# Allegro board S071AA-0413-20260427_Power.brd (continued)
## Routing (per net, layer and track width the routed paths; a pad name or vN(x,y) marks a point on that pad's centre or on a via; arc(x,y) is an arc through that point) (continued)
; D104.A2 164.3,35.56 ; D104.A2 165.37,36.63 ; D104.A2 165.37,34.49 ; CSDPS426.C5 119.65,361.75 ; CSDPS426.C5 119.65,359.61 ; CSDPS426.C5 120.72,360.68 ; CSDPS426.C5 118.58,360.68 ; D124.A10 112.03,36.63 ; D124.A10 113.1,35.56 ; D124.A10 112.03,34.49 ; D124.A10 110.96,35.56 ; D124.B13 119.65,39.17 ; D124.B13 118.58,38.1 ; D124.B13 120.72,38.1 ; D124.B13 119.65,37.03 ; 14.44,53.34 D119.A1 ; D119.A1 15.51,54.41 ; D119.A1 15.51,52.27 ; D119.A1 16.58,53.34 ; D121.A16 128.34,96.52 ; D121.A16 126.2,96.52 ; D121.A16 127.27,97.59 ; D121.A16 127.27,95.45 ; D113.B16 166.44,327.66 ; D113.B16 165.37,326.59 ; D113.B16 164.3,327.66 ; D113.B16 165.37,328.73 ; 89.17,37.03 D124.B1 ; D124.B1 88.1,38.1 ; D124.B1 90.24,38.1 ; D124.B1 89.17,39.17 ; 15.51,72.59 D118.A1 ; D118.A1 14.44,73.66 ; D118.A1 16.58,73.66 ; D118.A1 15.51,74.73 ; 240.5,73.66 D106.A3 ; D106.A3 241.57,74.73 ; D106.A3 242.64,73.66 ; D106.A3 241.57,72.59 ; 35.83,37.03 D120.B9 ; D120.B9 36.9,38.1 ; D120.B9 35.83,39.17 ; D120.B9 34.76,38.1 ; D108.B10 259.35,41.71 ; D108.B10 259.35,39.57 ; D108.B10 260.42,40.64 ; D108.B10 258.28,40.64 ; D115.A13 172.99,376.99 ; D115.A13 172.99,374.85 ; D115.A13 174.06,375.92 ; D115.A13 171.92,375.92 ; CSDPS229.B4 48.53,333.81 ; CSDPS229.B4 47.46,332.74 ; CSDPS229.B4 49.6,332.74 ; CSDPS229.B4 48.53,331.67 ; D428.B1 129.81,402.39 ; D428.B1 128.74,401.32 ; D428.B1 130.88,401.32 ; D428.B1 129.81,400.25 ; D108.B15 273.12,38.1 ; D108.B15 270.98,38.1 ; D108.B15 272.05,37.03 ; D108.B15 272.05,39.17 ; D108.B1 236.49,39.17 ; D108.B1 235.42,38.1 ; D108.B1 236.49,37.03 ; D108.B1 237.56,38.1 ; 274.59,100.53 D105.B16 ; D105.B16 275.66,101.6 ; D105.B16 274.59,102.67 ; D105.B16 273.52,101.6 ; D106.A5 247.72,73.66 ; D106.A5 245.58,73.66 ; D106.A5 246.65,72.59 ; D106.A5 246.65,74.73 ; D101.B9 183.15,100.13 ; D101.B9 183.15,97.99 ; D101.B9 182.08,99.06 ; D101.B9 184.22,99.06 ; 45.99,385.01 D431.A5 ; D431.A5 47.06,386.08 ; D431.A5 44.92,386.08 ; D431.A5 45.99,387.15 ; 182.08,391.16 D116.B9 ; D116.B9 183.15,392.23 ; D116.B9 184.22,391.16 ; D116.B9 183.15,390.09 ; D101.A14 195.85,97.59 ; D101.A14 194.78,96.52 ; D101.A14 195.85,95.45 ; D101.A14 196.92,96.52 ; D115.A6 190.77,374.45 ; D115.A6 190.77,372.31 ; D115.A6 189.7,373.38 ; D115.A6 191.84,373.38 ; 53.61,100.53 D117.B16 ; D117.B16 52.54,101.6 ; D117.B16 54.68,101.6 ; D117.B16 53.61,102.67 ; 55.08,410.21 DPS8.C01 ; DPS8.C01 56.15,411.28 ; DPS8.C01 57.22,410.21 ; DPS8.C01 56.15,409.14 ; 114.57,77.67 D122.B11 ; D122.B11 113.5,78.74 ; D122.B11 115.64,78.74 ; D122.B11 114.57,79.81 ; D101.A15 199.46,93.98 ; D101.A15 198.39,95.05 ; D101.A15 198.39,92.91 ; D101.A15 197.32,93.98 ; D108.B8 254.27,41.71 ; D108.B8 254.27,39.57 ; D108.B8 255.34,40.64 ; D108.B8 253.2,40.64 ; 46.68,354.48 UHC230.G3_2 ; UHC230.G3_2 46.68,356.1 ; UHC230.G3_2 47.49,355.29 ; UHC230.G3_2 45.87,355.29 ; D432.A6 43.45,404.93 ; D432.A6 44.52,403.86 ; D432.A6 43.45,402.79 ; D432.A6 42.38,403.86 ; 268.44,347.98 D110.B4 ; D110.B4 269.51,349.05 ; D110.B4 270.58,347.98 ; D110.B4 269.51,346.91 ; 179.54,353.06 D114.A10 ; D114.A10 180.61,354.13 ; D114.A10 180.61,351.99 ; D114.A10 181.68,353.06 ; CSDPS225.C15 95.32,330.2 ; CSDPS225.C15 94.25,331.27 ; CSDPS225.C15 93.18,330.2 ; CSDPS225.C15 94.25,329.13 ; D115.B15 168.98,370.84 ; D115.B15 167.91,371.91 ; D115.B15 166.84,370.84 ; D115.B15 167.91,369.77 ; 175.53,392.63 D116.A12 ; D116.A12 176.6,393.7 ; D116.A12 174.46,393.7 ; D116.A12 175.53,394.77 ; CSDPS225.C7 114.57,331.27 ; CSDPS225.C7 115.64,330.2 ; CSDPS225.C7 113.5,330.2 ; CSDPS225.C7 114.57,329.13 ; 47.46,60.96 D119.B14 ; D119.B14 48.53,62.03 ; D119.B14 48.53,59.89 ; D119.B14 49.6,60.96 ; D121.B12 117.11,102.67 ; D121.B12 116.04,101.6 ; D121.B12 117.11,100.53 ; D121.B12 118.18,101.6 ; D115.B12 176.6,368.3 ; D115.B12 175.53,367.23 ; D115.B12 175.53,369.37 ; D115.B12 174.46,368.3 ; D105.B13 266.97,100.13 ; D105.B13 268.04,99.06 ; D105.B13 265.9,99.06 ; D105.B13 266.97,97.99 ; D114.A8 185.69,354.13 ; D114.A8 185.69,351.99 ; D114.A8 184.62,353.06 ; D114.A8 186.76,353.06 ; 99.33,97.99 D121.B5 ; D121.B5 100.4,99.06 ; D121.B5 99.33,100.13 ; D121.B5 98.26,99.06 ; 255.74,396.24 D112.A9 ; D112.A9 256.81,397.31 ; D112.A9 256.81,395.17 ; D112.A9 257.88,396.24 ; 109.49,72.59 D122.A9 ; D122.A9 108.42,73.66 ; D122.A9 110.56,73.66 ; D122.A9 109.49,74.73 ; D115.A8 185.69,374.45 ; D115.A8 184.62,373.38 ; D115.A8 186.76,373.38 ; D115.A8 185.69,372.31 ; 270.98,93.98 D105.A15 ; D105.A15 272.05,92.91 ; D105.A15 272.05,95.05 ; D105.A15 273.12,93.98 ; 162.83,57.35 D103.B1 ; D103.B1 162.83,59.49 ; D103.B1 161.76,58.42 ; D103.B1 163.9,58.42 ; D116.B10 180.61,389.69 ; D116.B10 179.54,388.62 ; D116.B10 181.68,388.62 ; D116.B10 180.61,387.55 ; D117.A6 28.21,97.59 ; D117.A6 28.21,95.45 ; D117.A6 27.14,96.52 ; D117.A6 29.28,96.52 ; D428.B17 90.24,401.32 ; D428.B17 88.1,401.32 ; D428.B17 89.17,402.39 ; D428.B17 89.17,400.25 ; 243.04,368.3 D111.B14 ; D111.B14 245.18,368.3 ; D111.B14 244.11,367.23 ; D111.B14 244.11,369.37 ; D112.A16 239.03,394.77 ; D112.A16 239.03,392.63 ; D112.A16 237.96,393.7 ; D112.A16 240.1,393.7 ; 17.22,350.04 UHC230.G4_9 ; UHC230.G4_9 18.03,349.23 ; UHC230.G4_9 18.84,350.04 ; UHC230.G4_9 18.03,350.85 ; 88.1,13.97 DPS3.A01 ; DPS3.A01 89.17,15.04 ; DPS3.A01 89.17,12.9 ; DPS3.A01 90.24,13.97 ; 103.34,340.36 CSDPS425.C11 ; CSDPS425.C11 105.48,340.36 ; CSDPS425.C11 104.41,339.29 ; CSDPS425.C11 104.41,341.43 ; 37.3,332.74 CSDPS229.B8 ; CSDPS229.B8 39.44,332.74 ; CSDPS229.B8 38.37,333.81 ; CSDPS229.B8 38.37,331.67 ; D110.B6 264.43,349.05 ; D110.B6 263.36,347.98 ; D110.B6 265.5,347.98 ; D110.B6 264.43,346.91 ; 114.57,37.03 D124.B11 ; D124.B11 115.64,38.1 ; D124.B11 114.57,39.17 ; D124.B11 113.5,38.1 ; 169.38,60.96 D103.B4 ; D103.B4 170.45,62.03 ; D103.B4 170.45,59.89 ; D103.B4 171.52,60.96 ; D116.A6 191.84,393.7 ; D116.A6 189.7,393.7 ; D116.A6 190.77,394.77 ; D116.A6 190.77,392.63 ; UHC430.G2_2 46.68,366.26 ; UHC430.G2_2 46.68,364.64 ; UHC430.G2_2 47.49,365.45 ; UHC430.G2_2 45.87,365.45 ; 193.31,409.14 DPS2.C05 ; DPS2.C05 192.24,410.21 ; DPS2.C05 194.38,410.21 ; DPS2.C05 193.31,411.28 ; 101.87,39.57 D124.B6 ; D124.B6 101.87,41.71 ; D124.B6 102.94,40.64 ; D124.B6 100.8,40.64 ; CSDPS429.B4 48.53,343.97 ; CSDPS429.B4 48.53,341.83 ; CSDPS429.B4 47.46,342.9 ; CSDPS429.B4 49.6,342.9 ; 113.5,401.32 D428.B7 ; D428.B7 115.64,401.32 ; D428.B7 114.57,400.25 ; D428.B7 114.57,402.39 ; 113.5,350.52 CSDPS226.C7 ; CSDPS226.C7 114.57,351.59 ; CSDPS226.C7 115.64,350.52 ; CSDPS226.C7 114.57,349.45 ; D110.B11 252.8,350.52 ; D110.B11 250.66,350.52 ; D110.B11 251.73,351.59 ; D110.B11 251.73,349.45 ; 117.11,341.83 CSDPS425.B6 ; CSDPS425.B6 117.11,343.97 ; CSDPS425.B6 118.18,342.9 ; CSDPS425.B6 116.04,342.9 ; D231.A8 39.44,373.38 ; D231.A8 38.37,374.45 ; D231.A8 37.3,373.38 ; D231.A8 38.37,372.31 ; D124.A13 120.72,33.02 ; D124.A13 118.58,33.02 ; D124.A13 119.65,34.09 ; D124.A13 119.65,31.95 ; 175.53,39.57 D104.B6 ; D104.B6 175.53,41.71 ; D104.B6 174.46,40.64 ; D104.B6 176.6,40.64 ; D124.B9 109.49,39.17 ; D124.B9 110.56,38.1 ; D124.B9 109.49,37.03 ; D124.B9 108.42,38.1 ; 187.16,78.74 D102.B11 ; D102.B11 188.23,77.67 ; D102.B11 188.23,79.81 ; D102.B11 189.3,78.74 ; UHC430.G1_5 15.73,364.51 ; UHC430.G1_5 15.73,362.89 ; UHC430.G1_5 16.54,363.7 ; UHC430.G1_5 14.92,363.7 ; 108.42,391.16 D228.B9 ; D228.B9 109.49,390.09 ; D228.B9 110.56,391.16 ; D228.B9 109.49,392.23 ; 250.66,38.1 D108.B7 ; D108.B7 251.73,39.17 ; D108.B7 251.73,37.03 ; D108.B7 252.8,38.1 ; D118.B2 18.05,82.35 ; D118.B2 16.98,81.28 ; D118.B2 19.12,81.28 ; D118.B2 18.05,80.21 ; D228.A5 119.65,397.31 ; D228.A5 118.58,396.24 ; D228.A5 120.72,396.24 ; D228.A5 119.65,395.17 ; D119.B6 28.21,62.03 ; D119.B6 29.28,60.96 ; D119.B6 27.14,60.96 ; D119.B6 28.21,59.89 ; D112.A12 250.26,393.7 ; D112.A12 249.19,392.63 ; D112.A12 249.19,394.77 ; D112.A12 248.12,393.7 ; 101.87,392.63 D228.A12 ; D228.A12 101.87,394.77 ; D228.A12 102.94,393.7 ; D228.A12 100.8,393.7 ; UHC230.G3_4 47.83,354.35 ; UHC230.G3_4 47.83,352.73 ; UHC230.G3_4 47.02,353.54 ; UHC230.G3_4 48.64,353.54 ; KS3.7 40.66,150.22 ; KS3.7 40.66,147.98 ; KS3.7 39.54,149.1 ; KS3.7 41.77,149.1 ; D231.A1 56.15,376.99 ; D231.A1 55.08,375.92 ; D231.A1 56.15,374.85 ; D231.A1 57.22,375.92 ; 90.64,373.38 D227.A16 ; D227.A16 92.78,373.38 ; D227.A16 91.71,372.31 ; D227.A16 91.71,374.45 ; D227.A9 109.49,376.99 ; D227.A9 108.42,375.92 ; D227.A9 109.49,374.85 ; D227.A9 110.56,375.92 ; D108.B13 266.97,39.17 ; D108.B13 266.97,37.03 ; D108.B13 268.04,38.1 ; D108.B13 265.9,38.1 ; 24.6,33.02 D120.A5 ; D120.A5 26.74,33.02 ; D120.A5 25.67,34.09 ; D120.A5 25.67,31.95 ; 43.45,95.45 D117.A12 ; D117.A12 43.45,97.59 ; D117.A12 44.52,96.52 ; D117.A12 42.38,96.52 ; 104.41,374.85 D227.A11 ; D227.A11 104.41,376.99 ; D227.A11 103.34,375.92 ; D227.A11 105.48,375.92 ; D231.A16 19.12,373.38 ; D231.A16 18.05,372.31 ; D231.A16 18.05,374.45 ; D231.A16 16.98,373.38 ; 29.68,415.29 DPS8.A11 ; DPS8.A11 30.75,416.28 31.4,416.93 SB15.1 ; DPS8.A11 31.82,415.29 ; DPS8.A11 30.75,414.22 ; D115.B2 200.93,369.37 ; D115.B2 200.93,367.23 ; D115.B2 199.86,368.3 ; D115.B2 202,368.3 ; 116.04,81.28 D122.B12 ; D122.B12 117.11,80.21 ; D122.B12 118.18,81.28 ; D122.B12 117.11,82.35 ; D118.A15 52.14,73.66 ; D118.A15 50,73.66 ; D118.A15 51.07,74.73 ; D118.A15 51.07,72.59 ; 40.91,77.67 D118.B11 ; D118.B11 41.98,78.74 ; D118.B11 40.91,79.81 ; D118.B11 39.84,78.74 ; D110.A15 242.64,355.6 ; D110.A15 241.57,356.67 ; D110.A15 241.57,354.53 ; D110.A15 240.5,355.6 ; 260.82,355.6 D110.A7 ; D110.A7 261.89,354.53 ; D110.A7 261.89,356.67 ; D110.A7 262.96,355.6 ; 52.54,373.38 D231.A2 ; D231.A2 53.61,372.31 ; D231.A2 53.61,374.45 ; D231.A2 54.68,373.38 ; 167.91,414.22 DPS2.A15 ; DPS2.A15 166.84,415.29 ; DPS2.A15 167.91,416.36 ; DPS2.A15 168.98,415.29 ; 123.66,38.1 D124.B15 ; D124.B15 124.73,39.17 ; D124.B15 124.73,37.03 ; D124.B15 125.8,38.1 ; D122.B14 122.19,82.35 ; D122.B14 121.12,81.28 ; D122.B14 123.26,81.28 ; D122.B14 122.19,80.21 ; 193.31,31.95 D104.A13 ; D104.A13 192.24,33.02 ; D104.A13 193.31,34.09 ; D104.A13 194.38,33.02 ; DPS2.A01 203.47,416.36 ; DPS2.A01 203.47,414.22 ; DPS2.A01 204.54,415.29 ; DPS2.A01 202.4,415.29 ; 96.79,392.63 D228.A14 ; D228.A14 96.79,394.77 ; D228.A14 97.86,393.7 ; D228.A14 95.72,393.7 ; D431.B4 49.6,378.46 ; D431.B4 48.53,379.53 ; D431.B4 48.53,377.39 ; D431.B4 47.46,378.46 ; 22.06,101.6 D117.B4 ; D117.B4 24.2,101.6 ; D117.B4 23.13,102.67 ; D117.B4 23.13,100.53 ; D122.B15 124.73,79.81 ; D122.B15 125.8,78.74 ; D122.B15 124.73,77.67 ; D122.B15 123.66,78.74 ; D112.B14 244.11,389.69 ; D112.B14 244.11,387.55 ; D112.B14 245.18,388.62 ; D112.B14 243.04,388.62 ; 261.89,17.98 DPS1.C11 ; DPS1.C11 260.82,19.05 ; DPS1.C11 262.96,19.05 ; DPS1.C11 261.89,20.12 ; 167.91,52.27 D103.A3 ; D103.A3 168.98,53.34 ; D103.A3 167.91,54.41 ; D103.A3 166.84,53.34 ; 165.37,39.57 D104.B2 ; D104.B2 165.37,41.71 ; D104.B2 164.3,40.64 ; D104.B2 166.44,40.64 ; 39.84,370.84 D231.B7 ; D231.B7 41.98,370.84 ; D231.B7 40.91,371.91 ; D231.B7 40.91,369.77 ; D109.B7 261.89,331.27 ; D109.B7 262.96,330.2 ; D109.B7 261.89,329.13 ; D109.B7 260.82,330.2 ; 172.99,349.45 D114.B13 ; D114.B13 171.92,350.52 ; D114.B13 172.99,351.59 ; D114.B13 174.06,350.52 ; 88.1,396.24 D228.A17 ; D228.A17 89.17,395.17 ; D228.A17 89.17,397.31 ; D228.A17 90.24,396.24 ; D107.B16 275.66,60.96 ; D107.B16 274.59,59.89 ; D107.B16 274.59,62.03 ; D107.B16 273.52,60.96 ; 277.13,354.53 D110.A1 ; D110.A1 277.13,356.67 ; D110.A1 278.2,355.6 ; D110.A1 276.06,355.6 ; 254.27,59.89 D107.B8 ; D107.B8 253.2,60.96 ; D107.B8 254.27,62.03 ; D107.B8 255.34,60.96 ; 270.98,350.52 D110.B3 ; D110.B3 273.12,350.52 ; D110.B3 272.05,351.59 ; D110.B3 272.05,349.45 ; 184.62,368.3 D115.B8 ; D115.B8 185.69,369.37 ; D115.B8 185.69,367.23 ; D115.B8 186.76,368.3 ; 261.89,31.95 D108.A11 ; D108.A11 260.82,33.02 ; D108.A11 261.89,34.09 ; D108.A11 262.96,33.02 ; D101.B12 191.84,101.6 ; D101.B12 190.77,102.67 ; D101.B12 190.77,100.53 ; D101.B12 189.7,101.6 ; D101.A5 172.99,95.05 ; D101.A5 172.99,92.91 ; D101.A5 174.06,93.98 ; D101.A5 171.92,93.98 ; D116.B11 179.14,391.16 ; D116.B11 177,391.16 ; D116.B11 178.07,392.23 ; D116.B11 178.07,390.09 ; 88.1,16.51 DPS3.B01 ; DPS3.B01 89.17,17.58 ; DPS3.B01 90.24,16.51 ; DPS3.B01 89.17,15.44 ; 244.11,372.31 D111.A14 ; D111.A14 244.11,374.45 ; D111.A14 243.04,373.38 ; D111.A14 245.18,373.38 ; D232.A13 25.67,397.31 ; D232.A13 25.67,395.17 ; D232.A13 24.6,396.24 ; D232.A13 26.74,396.24 ; D119.B7 30.75,59.49 ; D119.B7 30.75,57.35 ; D119.B7 29.68,58.42 ; D119.B7 31.82,58.42 ; KS3.6 54.47,149.1 ; KS3.6 53.36,147.98 ; KS3.6 52.24,149.1 ; KS3.6 53.36,150.22 ; 199.86,76.2 D102.A16 ; D102.A16 202,76.2 ; D102.A16 200.93,75.13 ; D102.A16 200.93,77.27 ; D115.A3 199.46,375.92 ; D115.A3 197.32,375.92 ; D115.A3 198.39,376.99 ; D115.A3 198.39,374.85 ; D113.A6 190.77,333.81 ; D113.A6 189.7,332.74 ; D113.A6 190.77,331.67 ; D113.A6 191.84,332.74 ; 166.84,412.75 DPS2.B15 ; DPS2.B15 167.91,411.68 ; DPS2.B15 168.98,412.75 ; DPS2.B15 167.91,413.82 ; D117.A1 16.58,93.98 ; D117.A1 14.44,93.98 ; D117.A1 15.51,92.91 ; D117.A1 15.51,95.05 ; UHC230.G3_9 47.83,350.85 ; UHC230.G3_9 48.64,350.04 ; UHC230.G3_9 47.83,349.23 ; UHC230.G3_9 47.02,350.04 ; 109.49,395.17 D228.A9 ; D228.A9 109.49,397.31 ; D228.A9 108.42,396.24 ; D228.A9 110.56,396.24 ; 193.31,77.67 D102.B13 ; D102.B13 194.38,78.74 ; D102.B13 193.31,79.81 ; D102.B13 192.24,78.74 ; DPS3.A15 125.8,13.97 ; DPS3.A15 124.73,12.9 ; DPS3.A15 123.66,13.97 ; DPS3.A15 124.73,15.04 ; 127.27,100.53 D121.B16 ; D121.B16 128.34,101.6 ; D121.B16 127.27,102.67 ; D121.B16 126.2,101.6 ; CSDPS226.B12 101.87,354.13 ; CSDPS226.B12 100.8,353.06 ; CSDPS226.B12 102.94,353.06 ; CSDPS226.B12 101.87,351.99 ; 270.98,335.28 D109.A3 ; D109.A3 272.05,334.21 ; D109.A3 272.05,336.35 ; D109.A3 273.12,335.28 ; 266.97,374.85 D111.A5 ; D111.A5 268.04,375.92 ; D111.A5 265.9,375.92 ; D111.A5 266.97,376.99 ; 258.28,55.88 D107.A10 ; D107.A10 259.35,56.95 ; D107.A10 260.42,55.88 ; D107.A10 259.35,54.81 ; 90.64,353.06 CSDPS226.B16 ; CSDPS226.B16 92.78,353.06 ; CSDPS226.B16 91.71,354.13 ; CSDPS226.B16 91.71,351.99 ; D122.A8 108.02,76.2 ; D122.A8 105.88,76.2 ; D122.A8 106.95,77.27 ; D122.A8 106.95,75.13 ; D116.B3 198.39,392.23 ; D116.B3 197.32,391.16 ; D116.B3 198.39,390.09 ; D116.B3 199.46,391.16 ; D121.B13 120.72,99.06 ; D121.B13 119.65,97.99 ; D121.B13 119.65,100.13 ; D121.B13 118.58,99.06 ; D123.B1 89.17,59.49 ; D123.B1 89.17,57.35 ; D123.B1 90.24,58.42 ; D123.B1 88.1,58.42 ; D107.A8 254.27,56.95 ; D107.A8 254.27,54.81 ; D107.A8 253.2,55.88 ; D107.A8 255.34,55.88 ; D123.B7 104.41,59.49 ; D123.B7 103.34,58.42 ; D123.B7 105.48,58.42 ; D123.B7 104.41,57.35 ; 119.65,72.59 D122.A13 ; D122.A13 120.72,73.66 ; D122.A13 118.58,73.66 ; D122.A13 119.65,74.73 ; 123.66,370.84 D227.B3 ; D227.B3 125.8,370.84 ; D227.B3 124.73,371.91 ; D227.B3 124.73,369.77 ; D427.B13 99.33,382.07 ; D427.B13 100.4,381 ; D427.B13 98.26,381 ; D427.B13 99.33,379.93 ; 170.45,54.81 D103.A4 ; D103.A4 170.45,56.95 ; D103.A4 169.38,55.88 ; D103.A4 171.52,55.88 ; 199.86,96.52 D101.A16 ; D101.A16 200.93,95.45 ; D101.A16 202,96.52 ; D101.A16 200.93,97.59 ; D106.B1 236.49,79.81 ; D106.B1 236.49,77.67 ; D106.B1 235.42,78.74 ; D106.B1 237.56,78.74 ; D105.A4 245.18,96.52 ; D105.A4 243.04,96.52 ; D105.A4 244.11,97.59 ; D105.A4 244.11,95.45 ; 101.87,402.79 D428.A12 ; D428.A12 101.87,404.93 ; D428.A12 102.94,403.86 ; D428.A12 100.8,403.86 ; 199.86,332.74 D113.A2 ; D113.A2 200.93,333.81 ; D113.A2 202,332.74 ; D113.A2 200.93,331.67 ; D231.A6 44.52,373.38 ; D231.A6 42.38,373.38 ; D231.A6 43.45,374.45 ; D231.A6 43.45,372.31 ; 249.19,59.89 D107.B6 ; D107.B6 249.19,62.03 ; D107.B6 250.26,60.96 ; D107.B6 248.12,60.96 ; D122.B13 119.65,79.81 ; D122.B13 118.58,78.74 ; D122.B13 119.65,77.67 ; D122.B13 120.72,78.74 ; 117.11,372.31 D227.A6 ; D227.A6 116.04,373.38 ; D227.A6 117.11,374.45 ; D227.A6 118.18,373.38 ; D116.B2 200.93,389.69 ; D116.B2 199.86,388.62 ; D116.B2 202,388.62 ; D116.B2 200.93,387.55 ; D122.A7 104.41,74.73 ; D122.A7 104.41,72.59 ; D122.A7 105.48,73.66 ; D122.A7 103.34,73.66 ; D113.B14 171.52,327.66 ; D113.B14 169.38,327.66 ; D113.B14 170.45,326.59 ; D113.B14 170.45,328.73 ; D103.A12 191.84,55.88 ; D103.A12 190.77,54.81 ; D103.A12 189.7,55.88 ; D103.A12 190.77,56.95 ; 16.88,361.14 UHC430.G1 ; UHC430.G1 17.69,361.95 ; UHC430.G1 16.88,362.76 ; UHC430.G1 16.07,361.95 ; D427.A10 108.02,383.54 ; D427.A10 105.88,383.54 ; D427.A10 106.95,382.47 ; D427.A10 106.95,384.61 ; D231.A15 21.66,375.92 ; D231.A15 19.52,375.92 ; D231.A15 20.59,376.99 ; D231.A15 20.59,374.85 ; D114.B7 188.23,351.59 ; D114.B7 187.16,350.52 ; D114.B7 188.23,349.45 ; D114.B7 189.3,350.52 ; D116.B16 165.37,389.69 ; D116.B16 164.3,388.62 ; D116.B16 166.44,388.62 ; D116.B16 165.37,387.55 ; 109.49,349.45 CSDPS226.C9 ; CSDPS226.C9 108.42,350.52 ; CSDPS226.C9 110.56,350.52 ; CSDPS226.C9 109.49,351.59 ; D123.A12 118.18,55.88 ; D123.A12 117.11,54.81 ; D123.A12 116.04,55.88 ; D123.A12 117.11,56.95 ; 264.43,54.81 D107.A12 ; D107.A12 265.5,55.88 ; D107.A12 264.43,56.95 ; D107.A12 263.36,55.88 ; 251.73,390.09 D112.B11 ; D112.B11 252.8,391.16 ; D112.B11 250.66,391.16 ; D112.B11 251.73,392.23 ; D118.B15 52.14,78.74 ; D118.B15 51.07,77.67 ; D118.B15 51.07,79.81 ; D118.B15 50,78.74 ; 45.99,400.25 D432.B5 ; D432.B5 47.06,401.32 ; D432.B5 44.92,401.32 ; D432.B5 45.99,402.39 ; 19.18,361.14 UHC430.G1_6 ; UHC430.G1_6 19.18,362.76 ; UHC430.G1_6 18.37,361.95 ; UHC430.G1_6 19.99,361.95 ; 121.12,40.64 D124.B14 ; D124.B14 122.19,39.57 ; D124.B14 123.26,40.64 ; D124.B14 122.19,41.71 ; 199.86,373.38 D115.A2 ; D115.A2 200.93,372.31 ; D115.A2 202,373.38 ; D115.A2 200.93,374.45 ; D123.B9 109.49,59.49 ; D123.B9 110.56,58.42 ; D123.B9 108.42,58.42 ; D123.B9 109.49,57.35 ; D108.A16 275.66,35.56 ; D108.A16 273.52,35.56 ; D108.A16 274.59,36.63 ; D108.A16 274.59,34.49 ; 28.21,34.49 D120.A6 ; D120.A6 29.28,35.56 ; D120.A6 28.21,36.63 ; D120.A6 27.14,35.56 ; 195.85,34.49 D104.A14 ; D104.A14 194.78,35.56 ; D104.A14 196.92,35.56 ; D104.A14 195.85,36.63 ; D103.A11 189.3,53.34 ; D103.A11 188.23,52.27 ; D103.A11 187.16,53.34 ; D103.A11 188.23,54.41 ; D121.A8 108.02,96.52 ; D121.A8 106.95,95.45 ; D121.A8 106.95,97.59 ; D121.A8 105.88,96.52 ; 268.44,373.38 D111.A4 ; D111.A4 270.58,373.38 ; D111.A4 269.51,372.31 ; D111.A4 269.51,374.45 ; 197.32,396.24 D116.A3 ; D116.A3 198.39,395.17 ; D116.A3 199.46,396.24 ; D116.A3 198.39,397.31 ; D231.B16 19.12,368.3 ; D231.B16 18.05,369.37 ; D231.B16 16.98,368.3 ; D231.B16 18.05,367.23 ; D124.B3 94.25,39.17 ; D124.B3 95.32,38.1 ; D124.B3 93.18,38.1 ; D124.B3 94.25,37.03 ; D231.B2 53.61,369.37 ; D231.B2 53.61,367.23 ; D231.B2 54.68,368.3 ; D231.B2 52.54,368.3 ; D104.A9 184.22,33.02 ; D104.A9 182.08,33.02 ; D104.A9 183.15,34.09 ; D104.A9 183.15,31.95 ; D103.A14 195.85,56.95 ; D103.A14 196.92,55.88 ; D103.A14 194.78,55.88 ; D103.A14 195.85,54.81 ; 256.81,72.59 D106.A9 ; D106.A9 255.74,73.66 ; D106.A9 256.81,74.73 ; D106.A9 257.88,73.66 ; 94.25,52.27 D123.A3 ; D123.A3 94.25,54.41 ; D123.A3 95.32,53.34 ; D123.A3 93.18,53.34 ; D427.B15 94.25,382.07 ; D427.B15 93.18,381 ; D427.B15 95.32,381 ; D427.B15 94.25,379.93 ; 123.66,16.51 DPS3.B15 ; DPS3.B15 124.73,15.44 ; DPS3.B15 124.73,17.58 ; DPS3.B15 125.8,16.51 ; 272.05,395.17 D112.A3 ; D112.A3 272.05,397.31 ; D112.A3 270.98,396.24 ; D112.A3 273.12,396.24 ; D114.A1 204.54,355.6 ; D114.A1 203.47,354.53 ; D114.A1 202.4,355.6 ; D114.A1 203.47,356.67 ; 245.58,335.28 D109.A13 ; D109.A13 246.65,334.21 ; D109.A13 247.72,335.28 ; D109.A13 246.65,336.35 ; 199.86,347.98 D114.B2 ; D114.B2 202,347.98 ; D114.B2 200.93,349.05 ; D114.B2 200.93,346.91 ; D109.B9 256.81,331.27 ; D109.B9 255.74,330.2 ; D109.B9 256.81,329.13 ; D109.B9 257.88,330.2 ; D118.B12 44.52,81.28 ; D118.B12 43.45,82.35 ; D118.B12 43.45,80.21 ; D118.B12 42.38,81.28 ; D108.A12 265.5,35.56 ; D108.A12 264.43,36.63 ; D108.A12 263.36,35.56 ; D108.A12 264.43,34.49 ; 34.76,406.4 D432.A9 ; D432.A9 35.83,407.47 ; D432.A9 36.9,406.4 ; D432.A9 35.83,405.33 ; 44.92,412.75 DPS8.B05 ; DPS8.B05 45.99,411.68 ; DPS8.B05 45.99,413.82 ; DPS8.B05 47.06,412.75 ; D122.A12 118.18,76.2 ; D122.A12 116.04,76.2 ; D122.A12 117.11,77.27 ; D122.A12 117.11,75.13 ; 182.08,370.84 D115.B9 ; D115.B9 183.15,371.91 ; D115.B9 184.22,370.84 ; D115.B9 183.15,369.77 ; 124.73,349.45 CSDPS226.C3 ; CSDPS226.C3 124.73,351.59 ; CSDPS226.C3 125.8,350.52 ; CSDPS226.C3 123.66,350.52 ; 258.28,60.96 D107.B10 ; D107.B10 260.42,60.96 ; D107.B10 259.35,62.03 ; D107.B10 259.35,59.89 ; D107.B3 242.64,58.42 ; D107.B3 240.5,58.42 ; D107.B3 241.57,57.35 ; D107.B3 241.57,59.49 ; D111.A9 256.81,376.99 ; D111.A9 255.74,375.92 ; D111.A9 256.81,374.85 ; D111.A9 257.88,375.92 ; 101.87,34.49 D124.A6 ; D124.A6 101.87,36.63 ; D124.A6 102.94,35.56 ; D124.A6 100.8,35.56 ; D102.A5 174.06,73.66 ; D102.A5 172.99,72.59 ; D102.A5 172.99,74.73 ; D102.A5 171.92,73.66 ; 194.78,101.6 D101.B14 ; D101.B14 195.85,102.67 ; D101.B14 196.92,101.6 ; D101.B14 195.85,100.53 ; 118.58,370.84 D227.B5 ; D227.B5 119.65,369.77 ; D227.B5 120.72,370.84 ; D227.B5 119.65,371.91 ; D110.B15 242.64,350.52 ; D110.B15 241.57,351.59 ; D110.B15 241.57,349.45 ; D110.B15 240.5,350.52 ; D107.A7 251.73,54.41 ; D107.A7 251.73,52.27 ; D107.A7 250.66,53.34 ; D107.A7 252.8,53.34 ; 48.17,355.29 UHC230.G3_1 ; UHC230.G3_1 49.79,355.29 ; UHC230.G3_1 48.98,356.1 ; UHC230.G3_1 48.98,354.48 ; D104.A16 202,35.56 ; D104.A16 199.86,35.56 ; D104.A16 200.93,36.63 ; D104.A16 200.93,34.49 ; 127.27,341.83 CSDPS425.B2 ; CSDPS425.B2 126.2,342.9 ; CSDPS425.B2 128.34,342.9 ; CSDPS425.B2 127.27,343.97 ; D115.A7 189.3,375.92 ; D115.A7 187.16,375.92 ; D115.A7 188.23,374.85 ; D115.A7 188.23,376.99 ; D112.B10 255.34,388.62 ; D112.B10 253.2,388.62 ; D112.B10 254.27,387.55 ; D112.B10 254.27,389.69 ; 197.32,370.84 D115.B3 ; D115.B3 198.39,371.91 ; D115.B3 199.46,370.84 ; D115.B3 198.39,369.77 ; D107.A13 268.04,53.34 ; D107.A13 266.97,52.27 ; D107.A13 266.97,54.41 ; D107.A13 265.9,53.34 ; 113.5,340.36 CSDPS425.C7 ; CSDPS425.C7 114.57,339.29 ; CSDPS425.C7 115.64,340.36 ; CSDPS425.C7 114.57,341.43 ; 180.61,100.53 D101.B8 ; D101.B8 180.61,102.67 ; D101.B8 179.54,101.6 ; D101.B8 181.68,101.6 ; 33.29,331.67 CSDPS229.B10 ; CSDPS229.B10 32.22,332.74 ; CSDPS229.B10 34.36,332.74 ; CSDPS229.B10 33.29,333.81 ; D118.B4 24.2,81.28 ; D118.B4 23.13,82.35 ; D118.B4 22.06,81.28 ; D118.B4 23.13,80.21 ; D109.B5 268.04,330.2 ; D109.B5 266.97,329.13 ; D109.B5 265.9,330.2 ; D109.B5 266.97,331.27 ; 14.92,353.54 UHC230.G4_5 ; UHC230.G4_5 16.54,353.54 ; UHC230.G4_5 15.73,354.35 ; UHC230.G4_5 15.73,352.73 ; D231.A17 15.51,376.99 ; D231.A17 15.51,374.85 ; D231.A17 16.58,375.92 ; D231.A17 14.44,375.92 ; 89.17,369.77 D227.B17 ; D227.B17 89.17,371.91 ; D227.B17 90.24,370.84 ; D227.B17 88.1,370.84 ; D103.A16 200.93,56.95 ; D103.A16 202,55.88 ; D103.A16 199.86,55.88 ; D103.A16 200.93,54.81 ; D102.B4 171.52,81.28 ; D102.B4 170.45,80.21 ; D102.B4 170.45,82.35 ; D102.B4 169.38,81.28 ; D121.A7 105.48,93.98 ; D121.A7 103.34,93.98 ; D121.A7 104.41,95.05 ; D121.A7 104.41,92.91 ; 277.13,390.09 D112.B1 ; D112.B1 276.06,391.16 ; D112.B1 277.13,392.23 ; D112.B1 278.2,391.16 ; D432.B6 43.45,399.85 ; D432.B6 44.52,398.78 ; D432.B6 43.45,397.71 ; D432.B6 42.38,398.78 ; 52.54,403.86 D432.A2 ; D432.A2 53.61,402.79 ; D432.A2 53.61,404.93 ; D432.A2 54.68,403.86 ; D123.B2 91.71,62.03 ; D123.B2 91.71,59.89 ; D123.B2 92.78,60.96 ; D123.B2 90.64,60.96 ; D119.A12 44.52,55.88 ; D119.A12 43.45,56.95 ; D119.A12 42.38,55.88 ; D119.A12 43.45,54.81 ; CSDPS229.C3 51.07,331.27 ; CSDPS229.C3 52.14,330.2 ; CSDPS229.C3 50,330.2 ; CSDPS229.C3 51.07,329.13 ; 254.27,326.59 D109.B10 ; D109.B10 253.2,327.66 ; D109.B10 254.27,328.73 ; D109.B10 255.34,327.66 ; 33.29,372.31 D231.A10 ; D231.A10 33.29,374.45 ; D231.A10 34.36,373.38 ; D231.A10 32.22,373.38 ; 175.53,372.31 D115.A12 ; D115.A12 175.53,374.45 ; D115.A12 174.46,373.38 ; D115.A12 176.6,373.38 ; 236.49,31.95 D108.A1 ; D108.A1 235.42,33.02 ; D108.A1 237.56,33.02 ; D108.A1 236.49,34.09 ; 237.96,353.06 D110.A16 ; D110.A16 239.03,354.13 ; D110.A16 240.1,353.06 ; D110.A16 239.03,351.99 ; 15.51,379.93 D431.B17 ; D431.B17 14.44,381 ; D431.B17 16.58,381 ; D431.B17 15.51,382.07 ; D119.B1 16.58,58.42 ; D119.B1 14.44,58.42 ; D119.B1 15.51,59.49 ; D119.B1 15.51,57.35 ; 188.23,57.35 D103.B11 ; D103.B11 189.3,58.42 ; D103.B11 187.16,58.42 ; D103.B11 188.23,59.49 ; D116.B5 193.31,392.23 ; D116.B5 194.38,391.16 ; D116.B5 193.31,390.09 ; D116.B5 192.24,391.16 ; D106.A10 259.35,77.27 ; D106.A10 259.35,75.13 ; D106.A10 260.42,76.2 ; D106.A10 258.28,76.2 ; 162.83,52.27 D103.A1 ; D103.A1 162.83,54.41 ; D103.A1 163.9,53.34 ; D103.A1 161.76,53.34 ; DPS1.B11 261.89,17.58 ; DPS1.B11 261.89,15.44 ; DPS1.B11 260.82,16.51 ; DPS1.B11 262.96,16.51 ; D104.B9 184.22,38.1 ; D104.B9 182.08,38.1 ; D104.B9 183.15,37.03 ; D104.B9 183.15,39.17 ; D113.A16 165.37,333.81 ; D113.A16 166.44,332.74 ; D113.A16 165.37,331.67 ; D113.A16 164.3,332.74 ; D228.B1 129.81,392.23 ; D228.B1 129.81,390.09 ; D228.B1 128.74,391.16 ; D228.B1 130.88,391.16 ; D118.A13 47.06,73.66 ; D118.A13 44.92,73.66 ; D118.A13 45.99,74.73 ; D118.A13 45.99,72.59 ; 193.31,411.68 DPS2.B05 ; DPS2.B05 194.38,412.75 ; DPS2.B05 193.31,413.82 ; DPS2.B05 192.24,412.75 ; 44.38,357.64 UHC430.G2_13 ; UHC430.G2_13 45.19,358.45 ; UHC430.G2_13 43.57,358.45 ; UHC430.G2_13 44.38,359.26 ; 184.62,332.74 D113.A8 ; D113.A8 185.69,333.81 ; D113.A8 186.76,332.74 ; D113.A8 185.69,331.67 ; D232.A5 47.06,396.24 ; D232.A5 45.99,395.17 ; D232.A5 45.99,397.31 ; D232.A5 44.92,396.24 ; 240.5,78.74 D106.B3 ; D106.B3 241.57,79.81 ; D106.B3 241.57,77.67 ; D106.B3 242.64,78.74 ; 237.96,81.28 D106.B2 ; D106.B2 240.1,81.28 ; D106.B2 239.03,82.35 ; D106.B2 239.03,80.21 ; 268.44,35.56 D108.A14 ; D108.A14 269.51,36.63 ; D108.A14 269.51,34.49 ; D108.A14 270.58,35.56 ; 265.9,396.24 D112.A5 ; D112.A5 266.97,395.17 ; D112.A5 268.04,396.24 ; D112.A5 266.97,397.31 ; 274.59,54.81 D107.A16 ; D107.A16 273.52,55.88 ; D107.A16 274.59,56.95 ; D107.A16 275.66,55.88 ; 116.04,363.22 CSDPS426.B6 ; CSDPS426.B6 117.11,364.29 ; CSDPS426.B6 117.11,362.15 ; CSDPS426.B6 118.18,363.22 ; D104.A12 190.77,36.63 ; D104.A12 190.77,34.49 ; D104.A12 189.7,35.56 ; D104.A12 191.84,35.56 ; 103.34,386.08 D427.A11 ; D427.A11 104.41,387.15 ; D427.A11 104.41,385.01 ; D427.A11 105.48,386.08 ; 104.41,77.67 D122.B7 ; D122.B7 104.41,79.81 ; D122.B7 103.34,78.74 ; D122.B7 105.48,78.74 ; D227.A2 128.34,373.38 ; D227.A2 127.27,372.31 ; D227.A2 127.27,374.45 ; D227.A2 126.2,373.38 ; 199.86,393.7 D116.A2 ; D116.A2 200.93,392.63 ; D116.A2 200.93,394.77 ; D116.A2 202,393.7 ; D111.B16 239.03,369.37 ; D111.B16 240.1,368.3 ; D111.B16 237.96,368.3 ; D111.B16 239.03,367.23 ; 195.85,59.89 D103.B14 ; D103.B14 196.92,60.96 ; D103.B14 195.85,62.03 ; D103.B14 194.78,60.96 ; 123.66,19.05 DPS3.C15 ; DPS3.C15 124.73,20.12 ; DPS3.C15 125.8,19.05 ; DPS3.C15 124.73,17.98 ; D432.B16 18.05,399.85 ; D432.B16 18.05,397.71 ; D432.B16 19.12,398.78 ; D432.B16 16.98,398.78 ; D119.A8 34.36,55.88 ; D119.A8 32.22,55.88 ; D119.A8 33.29,54.81 ; D119.A8 33.29,56.95 ; D231.A5 47.06,375.92 ; D231.A5 45.99,374.85 ; D231.A5 45.99,376.99 ; D231.A5 44.92,375.92 ; 171.92,99.06 D101.B5 ; D101.B5 174.06,99.06 ; D101.B5 172.99,97.99 ; D101.B5 172.99,100.13 ; D102.B15 199.46,78.74 ; D102.B15 198.39,77.67 ; D102.B15 197.32,78.74 ; D102.B15 198.39,79.81 ; 170.45,331.67 D113.A14 ; D113.A14 170.45,333.81 ; D113.A14 169.38,332.74 ; D113.A14 171.52,332.74 ; D227.A4 123.26,373.38 ; D227.A4 121.12,373.38 ; D227.A4 122.19,372.31 ; D227.A4 122.19,374.45 ; 110.96,368.3 D227.B8 ; D227.B8 112.03,369.37 ; D227.B8 113.1,368.3 ; D227.B8 112.03,367.23 ; D101.B16 200.93,102.67 ; D101.B16 199.86,101.6 ; D101.B16 202,101.6 ; D101.B16 200.93,100.53 ; UHC230.G3_3 44.38,356.1 ; UHC230.G3_3 43.57,355.29 ; UHC230.G3_3 45.19,355.29 ; UHC230.G3_3 44.38,354.48 ; D232.A4 48.53,394.77 ; D232.A4 49.6,393.7 ; D232.A4 47.46,393.7 ; D232.A4 48.53,392.63 ; 190.77,39.57 D104.B12 ; D104.B12 191.84,40.64 ; D104.B12 189.7,40.64 ; D104.B12 190.77,41.71 ; UHC230.G4_13 15.39,348.29 ; UHC230.G4_13 14.58,349.1 ; UHC230.G4_13 13.77,348.29 ; UHC230.G4_13 14.58,347.48 ; D105.B1 236.49,100.13 ; D105.B1 237.56,99.06 ; D105.B1 235.42,99.06 ; D105.B1 236.49,97.99 ; CSDPS225.C13 100.4,330.2 ; CSDPS225.C13 99.33,329.13 ; CSDPS225.C13 99.33,331.27 ; CSDPS225.C13 98.26,330.2 ; 90.64,378.46 D427.B16 ; D427.B16 92.78,378.46 ; D427.B16 91.71,379.53 ; D427.B16 91.71,377.39 ; 90.64,55.88 D123.A2 ; D123.A2 91.71,56.95 ; D123.A2 91.71,54.81 ; D123.A2 92.78,55.88 ; 272.05,329.13 D109.B3 ; D109.B3 270.98,330.2 ; D109.B3 272.05,331.27 ; D109.B3 273.12,330.2 ; 179.54,373.38 D115.A10 ; D115.A10 180.61,374.45 ; D115.A10 181.68,373.38 ; D115.A10 180.61,372.31 ; SB14.1 113.9,11.83 114.57,12.5 DPS3.A11 ; 29.68,375.92 D231.A11 ; D231.A11 30.75,374.85 ; D231.A11 31.82,375.92 ; D231.A11 30.75,376.99 ; 95.72,388.62 D228.B14 ; D228.B14 96.79,389.69 ; D228.B14 96.79,387.55 ; D228.B14 97.86,388.62 ; 89.17,374.85 D227.A17 ; D227.A17 89.17,376.99 ; D227.A17 90.24,375.92 ; D227.A17 88.1,375.92 ; 164.3,76.2 D102.A2 ; D102.A2 166.44,76.2 ; D102.A2 165.37,75.13 ; D102.A2 165.37,77.27 ; 264.43,100.53 D105.B12 ; D105.B12 264.43,102.67 ; D105.B12 263.36,101.6 ; D105.B12 265.5,101.6 ; 258.28,373.38 D111.A8 ; D111.A8 259.35,372.31 ; D111.A8 259.35,374.45 ; D111.A8 260.42,373.38 ; 272.05,369.77 D111.B3 ; D111.B3 270.98,370.84 ; D111.B3 272.05,371.91 ; D111.B3 273.12,370.84 ; 188.23,37.03 D104.B11 ; D104.B11 187.16,38.1 ; D104.B11 189.3,38.1 ; D104.B11 188.23,39.17 ; 128.74,340.36 CSDPS425.C1 ; CSDPS425.C1 129.81,339.29 ; CSDPS425.C1 130.88,340.36 ; CSDPS425.C1 129.81,341.43 ; 277.13,374.85 D111.A1 ; D111.A1 276.06,375.92 ; D111.A1 278.2,375.92 ; D111.A1 277.13,376.99 ; 42.38,368.3 D231.B6 ; D231.B6 43.45,367.23 ; D231.B6 43.45,369.37 ; D231.B6 44.52,368.3 ; D110.B1 278.2,350.52 ; D110.B1 277.13,351.59 ; D110.B1 276.06,350.52 ; D110.B1 277.13,349.45 ; 190.77,367.23 D115.B6 ; D115.B6 189.7,368.3 ; D115.B6 191.84,368.3 ; D115.B6 190.77,369.37 ; D119.A9 36.9,53.34 ; D119.A9 35.83,52.27 ; D119.A9 34.76,53.34 ; D119.A9 35.83,54.41 ; 166.84,73.66 D102.A3 ; D102.A3 168.98,73.66 ; D102.A3 167.91,72.59 ; D102.A3 167.91,74.73 ; 193.31,414.22 DPS2.A05 ; DPS2.A05 193.31,416.36 ; DPS2.A05 194.38,415.29 ; DPS2.A05 192.24,415.29 ; 42.38,60.96 D119.B12 ; D119.B12 43.45,59.89 ; D119.B12 43.45,62.03 ; D119.B12 44.52,60.96 ; 239.03,100.53 D105.B2 ; D105.B2 239.03,102.67 ; D105.B2 240.1,101.6 ; D105.B2 237.96,101.6 ; CSDPS229.B12 28.21,333.81 ; CSDPS229.B12 29.28,332.74 ; CSDPS229.B12 28.21,331.67 ; CSDPS229.B12 27.14,332.74 ; 56.15,390.09 D232.B1 ; D232.B1 55.08,391.16 ; D232.B1 57.22,391.16 ; D232.B1 56.15,392.23 ; D111.B12 249.19,369.37 ; D111.B12 248.12,368.3 ; D111.B12 250.26,368.3 ; D111.B12 249.19,367.23 ; D227.B12 101.87,369.37 ; D227.B12 101.87,367.23 ; D227.B12 102.94,368.3 ; D227.B12 100.8,368.3 ; 112.03,100.53 D121.B10 ; D121.B10 110.96,101.6 ; D121.B10 113.1,101.6 ; D121.B10 112.03,102.67 ; D428.A4 123.26,403.86 ; D428.A4 122.19,402.79 ; D428.A4 121.12,403.86 ; D428.A4 122.19,404.93 ; D108.B11 262.96,38.1 ; D108.B11 261.89,39.17 ; D108.B11 260.82,38.1 ; D108.B11 261.89,37.03 ; D116.A1 204.54,396.24 ; D116.A1 203.47,397.31 ; D116.A1 202.4,396.24 ; D116.A1 203.47,395.17 ; D116.A4 196.92,393.7 ; D116.A4 195.85,394.77 ; D116.A4 194.78,393.7 ; D116.A4 195.85,392.63 ; D109.A12 249.19,333.81 ; D109.A12 250.26,332.74 ; D109.A12 249.19,331.67 ; D109.A12 248.12,332.74 ; 193.31,52.27 D103.A13 ; D103.A13 193.31,54.41 ; D103.A13 192.24,53.34 ; D103.A13 194.38,53.34 ; 260.82,73.66 D106.A11 ; D106.A11 262.96,73.66 ; D106.A11 261.89,72.59 ; D106.A11 261.89,74.73 ; D117.B5 26.74,99.06 ; D117.B5 25.67,97.99 ; D117.B5 25.67,100.13 ; D117.B5 24.6,99.06 ; 40.91,379.93 D431.B7 ; D431.B7 41.98,381 ; D431.B7 40.91,382.07 ; D431.B7 39.84,381 ; 13.77,361.95 UHC430.G1_8 ; UHC430.G1_8 15.39,361.95 ; UHC430.G1_8 14.58,362.76 ; UHC430.G1_8 14.58,361.14 ; 264.43,80.21 D106.B12 ; D106.B12 263.36,81.28 ; D106.B12 265.5,81.28 ; D106.B12 264.43,82.35 ; D115.B16 166.44,368.3 ; D115.B16 165.37,369.37 ; D115.B16 164.3,368.3 ; D115.B16 165.37,367.23 ; D120.B2 18.05,41.71 ; D120.B2 18.05,39.57 ; D120.B2 16.98,40.64 ; D120.B2 19.12,40.64 ; 162.83,77.67 D102.B1 ; D102.B1 163.9,78.74 ; D102.B1 162.83,79.81 ; D102.B1 161.76,78.74 ; 95.72,96.52 D121.A4 ; D121.A4 97.86,96.52 ; D121.A4 96.79,95.45 ; D121.A4 96.79,97.59 ; D427.B3 124.73,382.07 ; D427.B3 125.8,381 ; D427.B3 123.66,381 ; D427.B3 124.73,379.93 ; 45.99,52.27 D119.A13 ; D119.A13 44.92,53.34 ; D119.A13 47.06,53.34 ; D119.A13 45.99,54.41 ; 27.14,403.86 D432.A12 ; D432.A12 28.21,402.79 ; D432.A12 28.21,404.93 ; D432.A12 29.28,403.86 ; D227.B13 100.4,370.84 ; D227.B13 99.33,371.91 ; D227.B13 98.26,370.84 ; D227.B13 99.33,369.77 ; 45.87,361.95 UHC430.G2 ; UHC430.G2 46.68,362.76 ; UHC430.G2 46.68,361.14 ; UHC430.G2 47.49,361.95 ; 239.03,59.89 D107.B2 ; D107.B2 239.03,62.03 ; D107.B2 240.1,60.96 ; D107.B2 237.96,60.96 ; SB13.1 178.74,417.05 178.07,416.38 DPS2.A11 ; D227.A13 99.33,376.99 ; D227.A13 98.26,375.92 ; D227.A13 99.33,374.85 ; D227.A13 100.4,375.92 ; 185.69,59.89 D103.B10 ; D103.B10 184.62,60.96 ; D103.B10 185.69,62.03 ; D103.B10 186.76,60.96 ; 241.57,334.21 D109.A15 ; D109.A15 242.64,335.28 ; D109.A15 240.5,335.28 ; D109.A15 241.57,336.35 ; D431.A7 40.91,387.15 ; D431.A7 39.84,386.08 ; D431.A7 40.91,385.01 ; D431.A7 41.98,386.08 ; 235.42,13.97 DPS1.A01 ; DPS1.A01 237.56,13.97 ; DPS1.A01 236.49,12.9 ; DPS1.A01 236.49,15.04 ; 250.66,355.6 D110.A11 ; D110.A11 251.73,354.53 ; D110.A11 252.8,355.6 ; D110.A11 251.73,356.67 ; 197.32,58.42 D103.B15 ; D103.B15 199.46,58.42 ; D103.B15 198.39,57.35 ; D103.B15 198.39,59.49 ; 95.72,60.96 D123.B4 ; D123.B4 96.79,62.03 ; D123.B4 97.86,60.96 ; D123.B4 96.79,59.89 ; DPS3.C05 100.4,19.05 ; DPS3.C05 98.26,19.05 ; DPS3.C05 99.33,17.98 ; DPS3.C05 99.33,20.12 ; D118.A4 23.13,77.27 ; D118.A4 24.2,76.2 ; D118.A4 23.13,75.13 ; D118.A4 22.06,76.2 ; 269.51,54.81 D107.A14 ; D107.A14 270.58,55.88 ; D107.A14 268.44,55.88 ; D107.A14 269.51,56.95 ; 18.05,95.45 D117.A2 ; D117.A2 16.98,96.52 ; D117.A2 19.12,96.52 ; D117.A2 18.05,97.59 ; D432.B13 25.67,402.39 ; D432.B13 25.67,400.25 ; D432.B13 26.74,401.32 ; D432.B13 24.6,401.32 ; 117.11,392.63 D228.A6 ; D228.A6 117.11,394.77 ; D228.A6 116.04,393.7 ; D228.A6 118.18,393.7 ; D108.B5 247.72,38.1 ; D108.B5 246.65,39.17 ; D108.B5 246.65,37.03 ; D108.B5 245.58,38.1 ; 95.72,81.28 D122.B4 ; D122.B4 96.79,80.21 ; D122.B4 96.79,82.35 ; D122.B4 97.86,81.28 ; 127.27,367.23 D227.B2 ; D227.B2 128.34,368.3 ; D227.B2 126.2,368.3 ; D227.B2 127.27,369.37 ; 43.45,377.39 D431.B6 ; D431.B6 43.45,379.53 ; D431.B6 44.52,378.46 ; D431.B6 42.38,378.46 ; D105.A14 269.51,97.59 ; D105.A14 270.58,96.52 ; D105.A14 269.51,95.45 ; D105.A14 268.44,96.52 ; D113.B11 178.07,331.27 ; D113.B11 178.07,329.13 ; D113.B11 179.14,330.2 ; D113.B11 177,330.2 ; 109.49,31.95 D124.A9 ; D124.A9 108.42,33.02 ; D124.A9 110.56,33.02 ; D124.A9 109.49,34.09 ; 185.69,39.57 D104.B10 ; D104.B10 185.69,41.71 ; D104.B10 186.76,40.64 ; D104.B10 184.62,40.64 ; 175.53,346.91 D114.B12 ; D114.B12 176.6,347.98 ; D114.B12 174.46,347.98 ; D114.B12 175.53,349.05 ; D124.B16 127.27,41.71 ; D124.B16 126.2,40.64 ; D124.B16 127.27,39.57 ; D124.B16 128.34,40.64 ; D102.B10 186.76,81.28 ; D102.B10 185.69,82.35 ; D102.B10 185.69,80.21 ; D102.B10 184.62,81.28 ; D112.B9 256.81,392.23 ; D112.B9 255.74,391.16 ; D112.B9 256.81,390.09 ; D112.B9 257.88,391.16 ; 33.29,392.63 D232.A10 ; D232.A10 33.29,394.77 ; D232.A10 32.22,393.7 ; D232.A10 34.36,393.7 ; CSDPS229.C15 21.66,330.2 ; CSDPS229.C15 20.59,329.13 ; CSDPS229.C15 20.59,331.27 ; CSDPS229.C15 19.52,330.2 ; 14.44,396.24 D232.A17 ; D232.A17 16.58,396.24 ; D232.A17 15.51,395.17 ; D232.A17 15.51,397.31 ; D431.B1 57.22,381 ; D431.B1 55.08,381 ; D431.B1 56.15,382.07 ; D431.B1 56.15,379.93 ; 193.31,37.03 D104.B13 ; D104.B13 193.31,39.17 ; D104.B13 194.38,38.1 ; D104.B13 192.24,38.1 ; 105.88,378.46 D427.B10 ; D427.B10 106.95,379.53 ; D427.B10 106.95,377.39 ; D427.B10 108.02,378.46 ; KS4.7 41.77,156.72 ; KS4.7 40.66,157.84 ; KS4.7 39.54,156.72 ; KS4.7 40.66,155.6 ; 113.5,386.08 D427.A7 ; D427.A7 114.57,387.15 ; D427.A7 115.64,386.08 ; D427.A7 114.57,385.01 ; D228.B3 125.8,391.16 ; D228.B3 124.73,390.09 ; D228.B3 123.66,391.16 ; D228.B3 124.73,392.23 ; 16.88,364.64 UHC430.G1_2 ; UHC430.G1_2 16.88,366.26 ; UHC430.G1_2 17.69,365.45 ; UHC430.G1_2 16.07,365.45 ; D102.A10 186.76,76.2 ; D102.A10 185.69,75.13 ; D102.A10 185.69,77.27 ; D102.A10 184.62,76.2 ; D232.B2 53.61,389.69 ; D232.B2 54.68,388.62 ; D232.B2 53.61,387.55 ; D232.B2 52.54,388.62 ; DPS3.A11 114.57,15.04 ; DPS3.A11 115.64,13.97 ; DPS3.A11 113.5,13.97 ; DPS8.A01 57.22,415.29 ; DPS8.A01 56.15,414.22 ; DPS8.A01 56.15,416.36 ; DPS8.A01 55.08,415.29 ; D119.B10 39.44,60.96 ; D119.B10 38.37,62.03 ; D119.B10 37.3,60.96 ; D119.B10 38.37,59.89 ; 268.44,393.7 D112.A4 ; D112.A4 269.51,392.63 ; D112.A4 270.58,393.7 ; D112.A4 269.51,394.77 ; D110.A12 250.26,353.06 ; D110.A12 249.19,351.99 ; D110.A12 248.12,353.06 ; D110.A12 249.19,354.13 ; 251.73,369.77 D111.B11 ; D111.B11 250.66,370.84 ; D111.B11 252.8,370.84 ; D111.B11 251.73,371.91 ; 110.96,81.28 D122.B10 ; D122.B10 112.03,80.21 ; D122.B10 112.03,82.35 ; D122.B10 113.1,81.28 ; 114.57,17.98 DPS3.C11 ; DPS3.C11 113.5,19.05 ; DPS3.C11 115.64,19.05 ; DPS3.C11 114.57,20.12 ; D104.B8 180.61,41.71 ; D104.B8 179.54,40.64 ; D104.B8 181.68,40.64 ; D104.B8 180.61,39.57 ; 127.27,75.13 D122.A16 ; D122.A16 126.2,76.2 ; D122.A16 128.34,76.2 ; D122.A16 127.27,77.27 ; D107.A15 272.05,54.41 ; D107.A15 272.05,52.27 ; D107.A15 273.12,53.34 ; D107.A15 270.98,53.34 ; 172.99,329.13 D113.B13 ; D113.B13 174.06,330.2 ; D113.B13 171.92,330.2 ; D113.B13 172.99,331.27 ; 96.79,362.15 CSDPS426.B14 ; CSDPS426.B14 96.79,364.29 ; CSDPS426.B14 95.72,363.22 ; CSDPS426.B14 97.86,363.22 ; 179.54,393.7 D116.A10 ; D116.A10 180.61,394.77 ; D116.A10 181.68,393.7 ; D116.A10 180.61,392.63 ; 88.1,391.16 D228.B17 ; D228.B17 89.17,390.09 ; D228.B17 89.17,392.23 ; D228.B17 90.24,391.16 ; D109.B1 278.2,330.2 ; D109.B1 277.13,331.27 ; D109.B1 276.06,330.2 ; D109.B1 277.13,329.13 ; 266.97,369.77 D111.B5 ; D111.B5 265.9,370.84 ; D111.B5 268.04,370.84 ; D111.B5 266.97,371.91 ; D122.A3 94.25,74.73 ; D122.A3 94.25,72.59 ; D122.A3 93.18,73.66 ; D122.A3 95.32,73.66 ; D119.A5 26.74,53.34 ; D119.A5 25.67,54.41 ; D119.A5 25.67,52.27 ; D119.A5 24.6,53.34 ; 106.95,331.67 CSDPS225.B10 ; CSDPS225.B10 108.02,332.74 ; CSDPS225.B10 105.88,332.74 ; CSDPS225.B10 106.95,333.81 ; 30.75,379.93 D431.B11 ; D431.B11 29.68,381 ; D431.B11 31.82,381 ; D431.B11 30.75,382.07 ; CSDPS229.C13 26.74,330.2 ; CSDPS229.C13 25.67,329.13 ; CSDPS229.C13 24.6,330.2 ; CSDPS229.C13 25.67,331.27 ; D228.B4 123.26,388.62 ; D228.B4 122.19,387.55 ; D228.B4 121.12,388.62 ; D228.B4 122.19,389.69 ; D124.B7 105.48,38.1 ; D124.B7 104.41,37.03 ; D124.B7 103.34,38.1 ; D124.B7 104.41,39.17 ; 165.37,54.81 D103.A2 ; D103.A2 165.37,56.95 ; D103.A2 164.3,55.88 ; D103.A2 166.44,55.88 ; 177,53.34 D103.A7 ; D103.A7 178.07,52.27 ; D103.A7 179.14,53.34 ; D103.A7 178.07,54.41 ; 88.1,19.05 DPS3.C01 ; DPS3.C01 90.24,19.05 ; DPS3.C01 89.17,20.12 ; DPS3.C01 89.17,17.98 ; 270.98,355.6 D110.A3 ; D110.A3 272.05,354.53 ; D110.A3 273.12,355.6 ; D110.A3 272.05,356.67 ; 89.17,77.67 D122.B1 ; D122.B1 90.24,78.74 ; D122.B1 89.17,79.81 ; D122.B1 88.1,78.74 ; 106.95,351.99 CSDPS226.B10 ; CSDPS226.B10 106.95,354.13 ; CSDPS226.B10 108.02,353.06 ; CSDPS226.B10 105.88,353.06 ; D116.B12 175.53,389.69 ; D116.B12 174.46,388.62 ; D116.B12 175.53,387.55 ; D116.B12 176.6,388.62 ; 39.84,406.4 D432.A7 ; D432.A7 40.91,407.47 ; D432.A7 40.91,405.33 ; D432.A7 41.98,406.4 ; 251.73,395.17 D112.A11 ; D112.A11 252.8,396.24 ; D112.A11 250.66,396.24 ; D112.A11 251.73,397.31 ; D109.B13 247.72,330.2 ; D109.B13 246.65,329.13 ; D109.B13 245.58,330.2 ; D109.B13 246.65,331.27 ; D124.A8 106.95,36.63 ; D124.A8 105.88,35.56 ; D124.A8 108.02,35.56 ; D124.A8 106.95,34.49 ; D102.B2 165.37,82.35 ; D102.B2 166.44,81.28 ; D102.B2 164.3,81.28 ; D102.B2 165.37,80.21 ; D102.A13 193.31,74.73 ; D102.A13 193.31,72.59 ; D102.A13 194.38,73.66 ; D102.A13 192.24,73.66 ; D431.B9 36.9,381 ; D431.B9 34.76,381 ; D431.B9 35.83,379.93 ; D431.B9 35.83,382.07 ; 19.52,401.32 D432.B15 ; D432.B15 20.59,400.25 